# Altium PCB HAWACO_DATALOGER_DT-G2_V1.0.3.PcbDoc (part 2 of 3)
Units mm, origin at the board's own origin, x right, y up, seen from the top; angles counter-clockwise.
Board outline 100 x 100 mm, 4 copper layers (Top Layer, Layer 2, Layer 3, Bottom Layer), stack 1.597 mm thick; 286 components, 202 nets, 954 pads, 1031 vias.
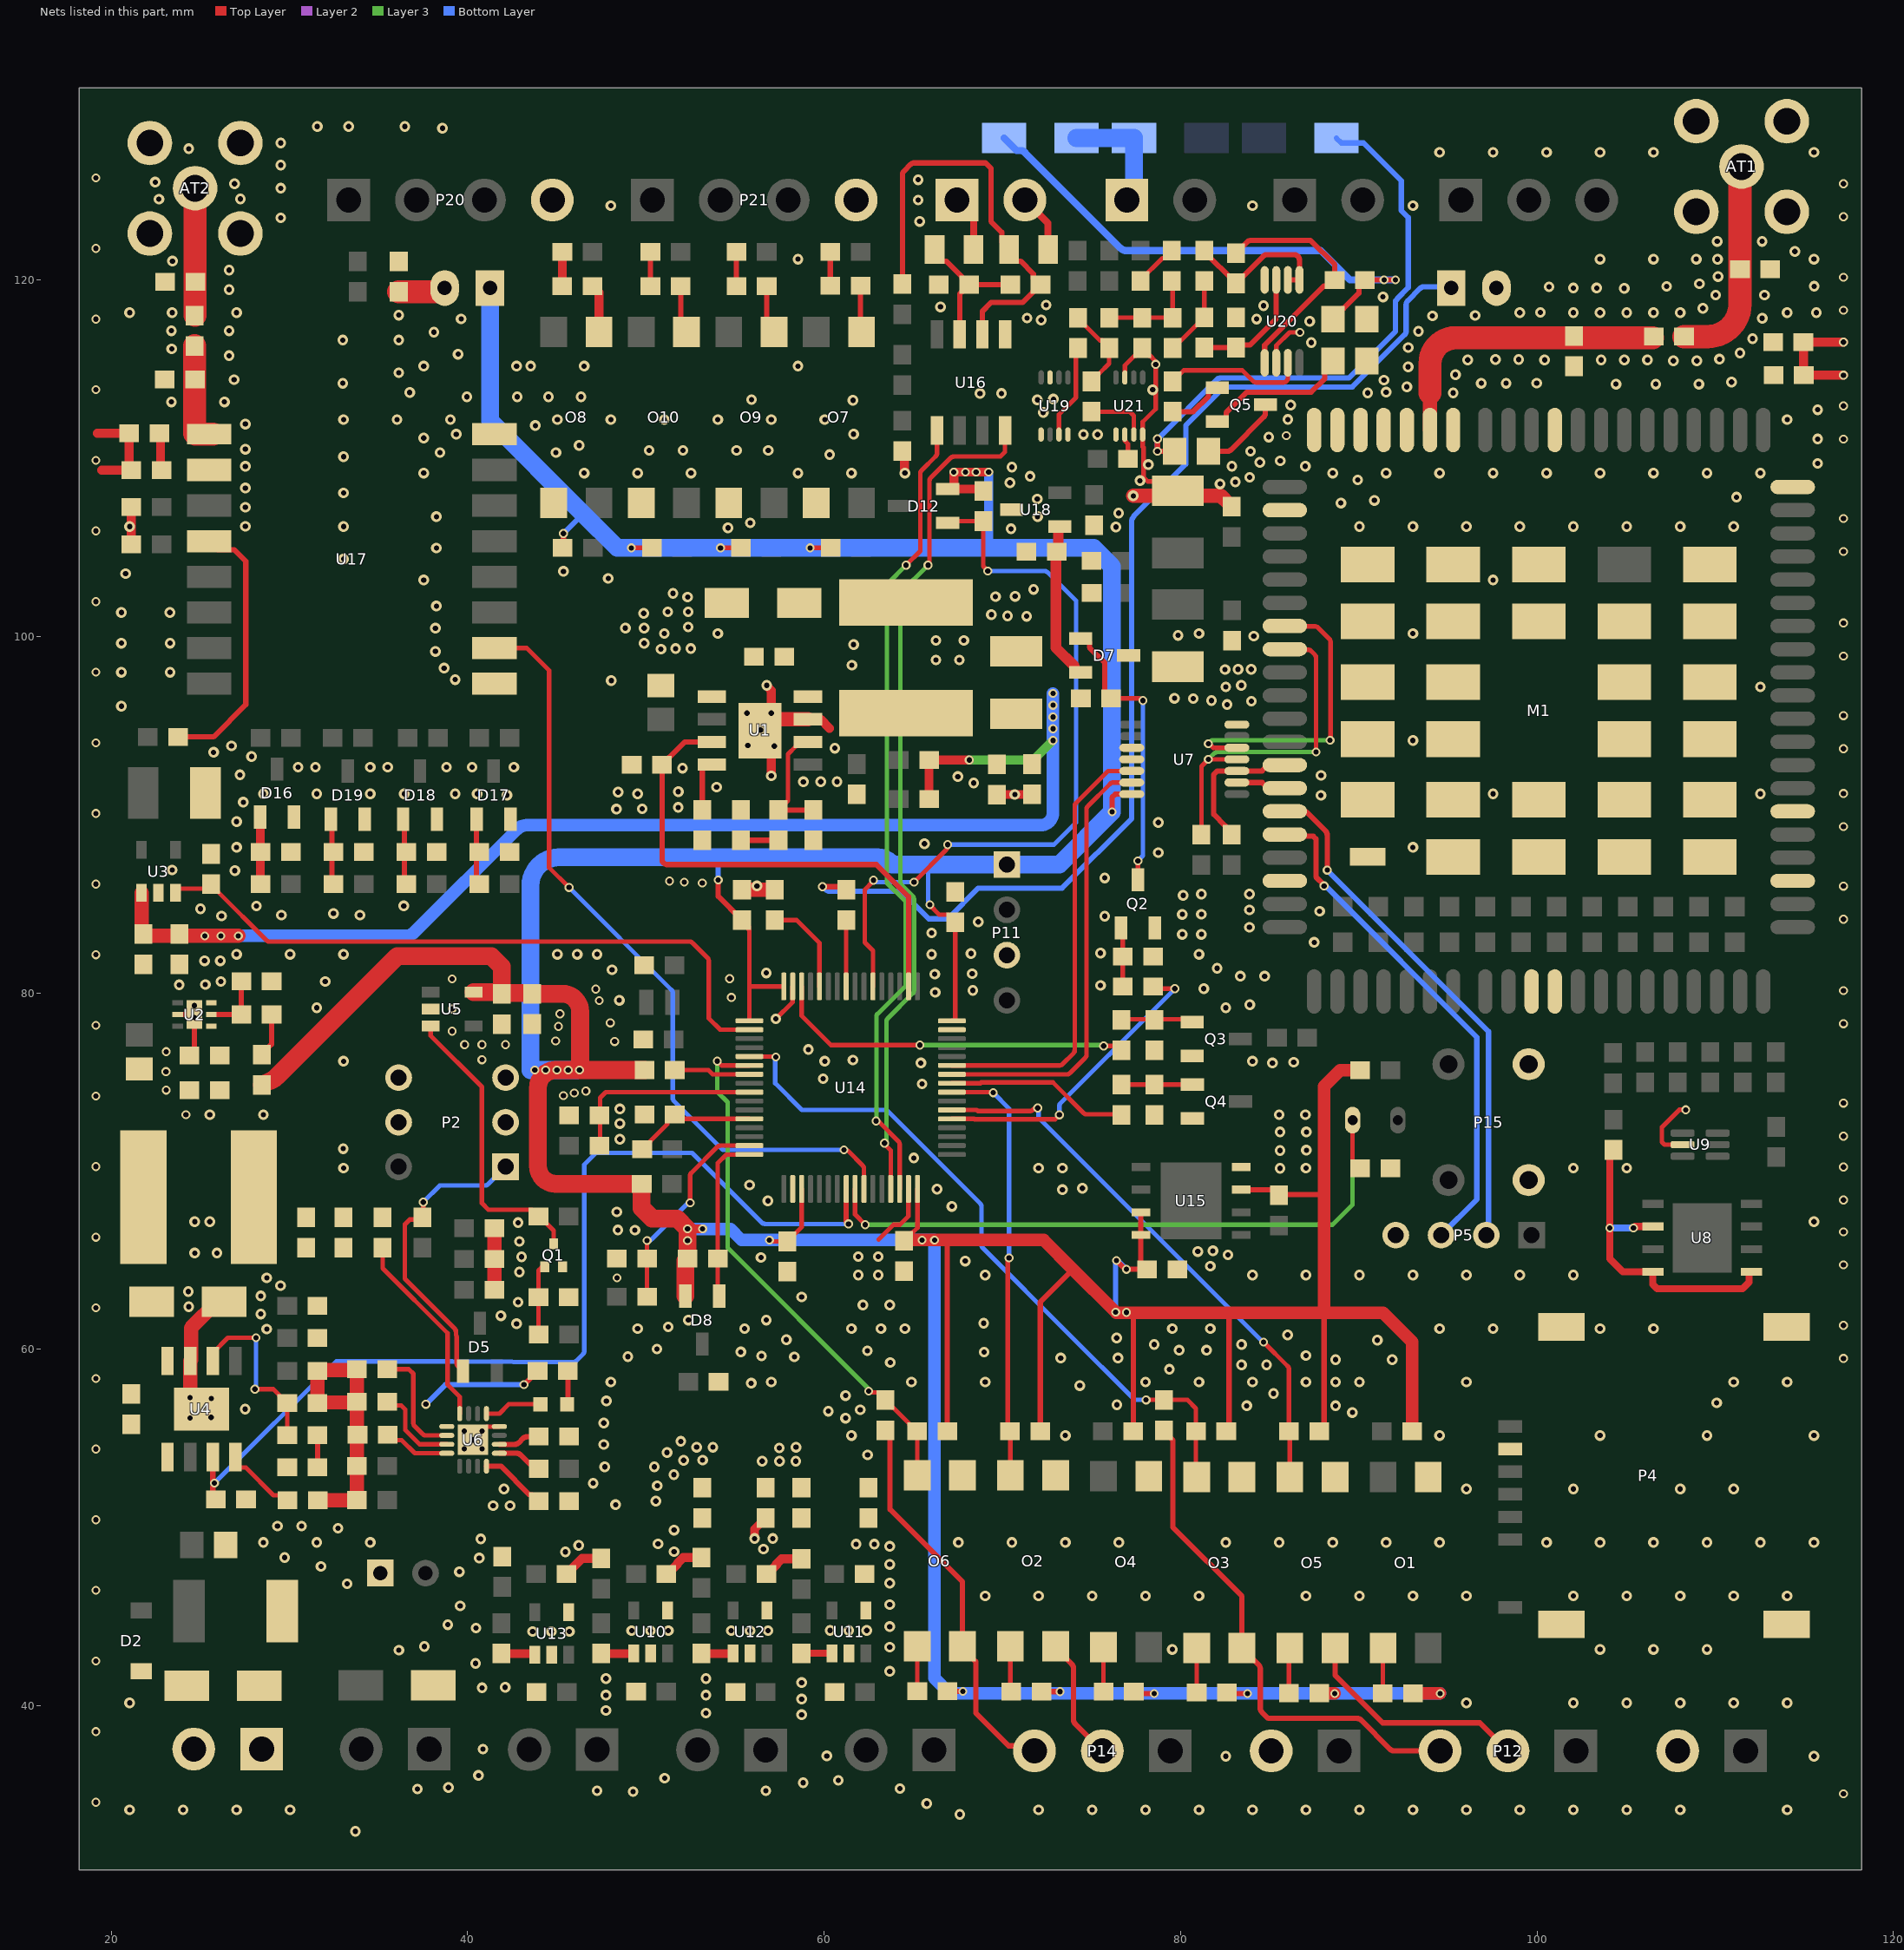
[diagram p4: the nets of this part, all layers, seen from the top]

## Via types
v1: diameter 0.6, hole 0.3, Top Layer to Bottom Layer, tented both sides, 749 vias
v2: diameter 0.5, hole 0.3, Top Layer to Bottom Layer, tented both sides, 282 vias

## Nets (pads, with @x,y where several pads share a name; then routed paths per layer and width w, separated by ;. In a path a pad name is that pad's centre, name@x,y a point inside that pad or via, vN(x,y) a via of type N, cw(c..) or ccw(c..) an arc to the next point about the centre after c; other vN are vias at no path point) (continued)
+3V3: C8.2 C9.2 C28.2 C29.2 C52.2 C53.2 C54.2 C55.2 C56.2 D8.2 D11.1 D12.2 L9.1 P11.1 R1.2 R44.2 R54.2 R55.2 R59.1 R60.1 R61.1 R65.2 R66.2 R67.1 R68.1 R73.1 R74.2 R75.2 R77.1 R78.1 R82.2 R84.2 R85.2 R93.2 R96.2 R105.2 U2.1 U5.5 U7.14 U14.1 U14.19 U14.32 U14.48 U14.64 U15.3 U15.7 U15.8 | length 391.1
  Top Layer w0.254: v2(49.186,104.966) R105.2@50.336,104.966 ; v2(54.19,104.966) R96.2@55.34,104.966 ; C55.2@55.397,84.088 55.77,83.715 55.77,83.56 55.813,83.517 55.813,80.36 ; U14.1@55.813,78.43 55.813,80.36 ; v2(56.937,66.131) 57.013,66.056 C53.2@57.937,66.056 57.937,66.106 58.31,66.479 58.36,66.479 58.743,66.862 U14.19@58.743,69 ; U14.64@57.743,80.36 55.813,80.36 ; v2(59.219,104.966) R84.2@60.369,104.966 ; C56.2@64.501,66.081 64.501,66.131 64.874,66.504 64.924,66.504 65.243,66.824 U14.32@65.243,69 ; v2(65.937,84.952) 65.937,84.916 66.461,84.392 66.992,84.392 67.365,84.019 C54.2@67.365,83.969 67.365,78.443 67.352,78.43 U14.48@67.173,78.43
  Top Layer w0.3: R93.2@45.332,104.966 45.382,105.016 v2(45.382,105.776) ; v2(54.066,86.338) 54.066,85.419 C55.2@55.397,84.088 ; R75.2@66.915,55.397 66.915,66.131 ; R78.1@66.935,40.811 v2(67.795,40.811) ; R55.2@72.133,55.397 72.133,62.653 73.967,64.488 ; R60.1@72.199,40.792 v2(73.247,40.792) ; v2(76.159,90.154) 76.159,90.968 76.343,91.152 U7.14@77.263,91.152 ; v2(76.403,64.988) 76.803,64.588 76.814,64.588 76.914,64.488 v2(76.969,64.488) C52.2@78.119,64.488 77.774,64.833 U15.8@77.774,66.419 U15.7@77.774,67.689 ; R66.2@77.35,55.397 77.35,62.008 77.394,62.052 ; R68.1@77.38,40.792 77.482,40.691 v2(78.53,40.691) ; R65.2@82.567,55.397 ccw(c82.043,55.832) 82.724,55.835 82.724,62.052 ; R67.1@82.613,40.742 82.663,40.691 v2(83.763,40.691) ; U15.3@83.414,68.959 85.203,68.959 R61.1@85.522,68.64 85.572,68.69 88.054,68.69 ; R74.2@87.784,55.397 87.966,55.579 ccw(c87.753,55.791) 88.053,55.791 88.053,62.052
  Top Layer w0.5: v2(52.338,66.756) v2(53.188,66.756) ; D12.2@66.936,108.269 D12.2@67.184,108.269 ; R85.2@68.936,108.169 68.836,108.269 D12.2@67.184,108.269 ; v2(69.236,109.224) v2(68.536,109.224) v2(67.936,109.224) v2(67.284,109.224) 67.284,108.369 D12.2@67.184,108.269
  Top Layer w0.7: C56.2@64.501,66.131 v2(65.501,66.131) v2(66.199,66.131) 66.915,66.131 72.324,66.131 73.967,64.488 v2(76.367,62.088) 76.403,62.052 77.394,62.052 82.724,62.052 88.054,62.052 ; R77.1@87.788,40.71 87.807,40.691 v2(88.648,40.691) ; R82.2@90.077,75.665 90.065,75.652 88.955,75.652 88.054,74.751 88.054,68.69 88.054,62.052 ; R54.2@93.001,55.397 93.001,60.415 91.364,62.052 88.054,62.052 ; R59.1@93.052,40.691 v2(94.564,40.691)
  Top Layer w1: R1.2@28.455,74.839 cw(c28.982,73.989) 28.584,74.907 28.965,75.072 ccw(c28.566,75.989) 29.274,75.283 36.044,82.053 41.342,82.053 41.927,81.467 C28.2@41.927,80.001 ; U5.5@40.332,80.048 41.582,80.048 41.629,80.001 C28.2@41.927,80.001 ; C28.2@41.927,79.948 C28.2@41.927,80.001 ; R73.1@49.925,75.671 v2@46.317,75.671 ; D8.2@52.216,62.991 52.216,64.978 52.288,65.05 52.288,65.1 R44.2@52.338,65.1 v2(52.338,66.1) v2(52.338,66.756) 51.753,67.342 50.358,67.342 49.772,67.928 L9.1@49.772,69.291 44.951,69.291 cw(c44.951,70.291) 43.951,70.291 43.951,74.671 cw(c44.951,74.671) 44.951,75.671 v2@46.317,75.671 ; C28.2@41.927,80.001 43.629,80.001 C29.2@43.629,79.951 45.317,79.951 cw(c45.317,78.951) 46.317,78.948 v2@46.317,75.671
  Bottom Layer w0.254: 65.846,87.198 65.846,85.148 ccw(c66.1,85.148) 65.92,84.968 v2(65.937,84.952)
  Bottom Layer w0.3: v2(45.382,105.776) 46.482,106.876 46.482,106.885 ; v2(54.066,86.338) 54.066,87.605 54.166,87.605 ; v2(76.969,64.488) 76.569,64.888 76.557,64.888 76.457,64.988 v2(76.403,64.988) 76.367,64.952 v2(76.367,62.088) 76.953,62.088 v2(76.971,62.07)
  Bottom Layer w0.5: v2(67.284,109.224) v2(67.936,109.224) v2(68.536,109.224) v2(69.236,109.224) 69.236,104.97 69.24,104.966
  Bottom Layer w0.7: v2(52.338,66.1) v2(52.338,66.756) 54.75,66.756 55.375,66.131 v2(56.937,66.131) v2(65.501,66.131) v2(66.199,66.131) 66.199,41.547 67.055,40.691 v2(78.53,40.691) v2(83.763,40.691) v2(88.648,40.691) v2(94.564,40.691)
  Bottom Layer w1: D11.1@41.258,119.548 41.258,112.109 46.482,106.885 48.401,104.966 v2(49.186,104.966) v2(54.19,104.966) v2(59.219,104.966) 69.24,104.966 71.051,104.966 71.662,104.966 72.272,104.966 72.882,104.966 75.125,104.966 76.159,103.933 v2(76.159,90.154) 73.203,87.198 P11.1@70.256,87.198 65.846,87.198 63.836,87.198 63.723,87.312 ccw(c63.016,86.605) 63.016,87.605 54.066,87.605 45.11,87.605 ccw(c45.11,86.021) 43.527,86.021 43.527,75.671 43.633,75.671 44.267,75.671 44.902,75.671 45.536,75.671 v2@46.141,75.671
  other v2: 43.772,75.671 44.378,75.671 45.012,75.671 45.646,75.671 46.281,75.671
+4V2: C3.1 C4.2 C5.2 C6.2 C14.2 C15.2 C60.2 D7.2 L1.2 R2.2 R26.2 U3.1 U18.1 | length 83.5
  Top Layer w0.5: R2.2@65.896,90.883 C6.2@65.896,93.062 65.899,93.066 v2(68.148,93.066)
  Top Layer w0.6: U18.1@73.232,106.162 73.197,106.162 73.147,106.112 73.147,104.834 C60.2@73.062,104.75 73.012,104.7 73.012,99.364 74.043,98.333 74.043,98.033 74.093,97.983 D7.2@74.393,97.983
  Top Layer w0.8: U3.1@21.707,85.617 21.707,85.417 21.707,83.685 ccw(c22.507,83.685) C14.2@21.806,83.299 21.906,83.199 v2(25.252,83.199) v2(26.154,83.199) v2(27.14,83.199)
  Layer 2 w0.5: v2(26.154,83.199) v2(26.154,83.199)
  Layer 3 w0.5: v2(68.148,93.066) 71.748,93.066 ; 71.752,93.062 71.748,93.066 ; v2(72.847,94.158) 71.755,93.066 71.748,93.066
  Bottom Layer w0.7: v2(25.252,83.199) v2(26.154,83.199) v2(27.14,83.199) 36.516,83.199 ccw(c36.516,83.899) 37.011,83.404 42.811,89.204 cw(c43.306,88.709) 43.304,89.409 43.306,89.409 72.147,89.409 ccw(c72.147,90.109) 72.847,90.109 v2(72.847,94.158) v2(72.847,96.799)
  other v2: 26.155,83.198 72.847,94.818 72.847,95.479 72.847,96.139
+4V2GSM: D7.3 L3.1 L4.1
+5V: C19.2 C20.2 C21.2 L2.2 R9.2 R25.2 U6.13 | length 7.1
  Top Layer w0.3: v2@43.164,58.015 43.531,58.382 43.531,58.432 43.881,58.782 R25.2@43.931,58.782
  Bottom Layer w0.3: v2(37.659,56.919) 38.755,58.015 v2(43.163,58.015)
A: F3.2 P16.2 | length 3.3
  Top Layer w0.4: P16.2@71.272,124.485 72.565,123.193 F3.2@72.565,121.703
ADC_24V: R57.1 R63.2 U14.15 | length 12
  Top Layer w0.254: R57.1@50.071,62.953 R63.2@50.071,65.1 v2(50.071,66.1) ; v2(52.486,68.22) 52.486,69.727 cw(c52.74,69.727) 52.561,69.907 54.009,71.355 cw(c54.189,71.176) 54.187,71.43 54.189,71.43 U14.15@55.813,71.43
  Bottom Layer w0.254: v2(50.071,66.1) 50.156,66.1 ccw(c50.156,66.354) 50.336,66.175 52.306,68.145 cw(c52.486,67.966) v2(52.486,68.22)
ADC_VBAT: R58.1 R64.2 U14.9 | length 11.2
  Top Layer w0.254: R58.1@47.39,71.42 47.44,71.47 47.44,73.121 47.44,74.11 47.76,74.43 U14.9@55.813,74.43
AGND: C39.2 C40.2 C41.2 C42.2 C45.1 C46.1 C47.1 C48.1 D9.1 L5.2 L6.2 L7.2 L8.2 R49.1 R50.1 R51.1 R52.1 U10.2 U10.4 U11.2 U11.4 U12.2 U12.4 U13.2 U13.4 | length 8.5
  Top Layer w0.5: C42.2@45.54,47.387 45.59,47.387 45.84,47.637 45.84,47.687 46.425,48.272 C45.1@47.498,48.272 ; C39.2@51.158,47.387 51.208,47.387 51.799,47.979 51.799,48.029 52.092,48.322 C47.1@53.12,48.322 ; v1(56.105,49.383) 56.105,49.911 L8.2@56.726,50.533 ; C41.2@56.775,47.387 56.825,47.387 57.337,47.898 57.337,47.948 57.629,48.241 C46.1@58.732,48.241
  other v1: 33.703,32.956 67.615,33.909 65.761,34.519 49.283,35.183 47.269,35.233 56.732,35.233 37.189,35.331 64.262,35.357 38.926,35.414 58.826,35.687 60.802,35.814 51.058,35.938 40.614,36.093 60.155,37.189 40.859,37.573 58.746,39.501 53.374,39.588 47.762,39.735 58.746,40.375 47.762,40.594 53.374,40.594 40.815,41.01 42.111,41.037 58.746,41.299 47.762,41.529 53.374,41.529 63.687,41.933 40.446,42.381 36.146,43.117 63.687,43.294 37.576,43.324 43.651,44.171 44.704,44.171 45.713,44.171 49.205,44.218 50.258,44.218 51.267,44.218 54.793,44.218 55.846,44.218 56.855,44.218 60.337,44.225 61.39,44.225 62.399,44.225 40.477,44.361 63.687,44.442 38.893,44.552 39.588,45.603 63.687,45.681 63.687,46.883 39.54,47.523 63.687,47.935 40.659,48.287 45.491,48.639 51.584,48.651 56.605,48.791 63.687,48.944 46.237,49.001 61.799,49.068 62.824,49.068 50.683,49.089 40.74,49.36 57.127,49.383 51.584,49.858
B: F2.2 P16.1 | length 3.2
  Top Layer w0.4: P16.1@67.462,124.485 68.393,123.554 F2.2@68.393,121.703
BAT_CHRG: D6.2 U6.9 | length 3.2
  Top Layer w0.254: U6.9@41.06,56.394 41.785,56.394 42.311,56.92 D6.2@44.086,56.92
BUSY: U14.26 U17.10 | length 44
  Top Layer w0.254: U17.10@41.503,99.343 43.329,99.343 44.577,98.095 44.577,87.029 v2(45.694,85.913) ; v2(61.124,71.187) 61.192,71.187 cw(c61.192,70.933) 61.372,71.112 62.17,70.314 cw(c61.989,70.135) 62.243,70.136 ; U14.26@62.243,69 62.243,70.135
  Bottom Layer w0.254: v2(45.694,85.913) 51.441,80.165 cw(c51.262,79.985) 51.516,79.986 ; 51.516,79.985 51.516,74.094 ccw(c51.77,74.094) 51.591,73.914 54.243,71.262 ccw(c54.423,71.441) 54.423,71.187 v2(61.124,71.187)
CIR1: O3.2 P12.3 R70.1 | length 28.9
  Top Layer w0.3: R70.1@79.07,55.462 79.07,55.412 79.57,54.912 79.57,50.021 83.449,46.142 O3.2@83.449,43.236 84.387,42.298 cw(c84.175,42.086) 84.475,42.086 84.475,39.87 ccw(c84.775,39.87) 84.563,39.658 84.927,39.294 89.906,39.294 cw(c89.906,38.994) 90.119,39.205 91.765,37.559 ccw(c91.977,37.771) 91.977,37.471 P12.3@94.564,37.471
CIR2: O6.2 P14.3 R81.1 | length 22.1
  Top Layer w0.3: R81.1@63.449,55.462 63.703,55.208 63.703,51.023 67.767,46.959 O6.2@67.767,43.338 67.767,43.238 68.517,42.488 68.517,39.592 70.355,37.754 71.523,37.754 P14.3@71.806,37.471
CIRIN1: O3.4 R65.1 R70.2 U14.5 | length 39.4
  Top Layer w0.254: U14.5@55.813,76.43 57.264,76.43 v2(57.296,76.398) ; v2(78.07,57.162) R70.2@79.07,57.162 80.392,57.162 80.867,56.687 R65.1@80.867,55.397 80.867,52.869 O3.4@80.909,52.827
  Bottom Layer w0.254: v2(57.296,76.398) 57.264,76.366 57.264,74.93 58.764,73.43 63.407,73.43 cw(c63.407,73.176) 63.588,73.355 68.762,68.181 cw(c68.582,68.001) 68.836,68.001 68.836,65.864 ccw(c69.09,65.864) 68.911,65.684 73.685,60.909 77.433,57.162 v2(78.07,57.162)
CIRIN2: O6.4 R75.1 R81.2 U14.6 | length 30.1
  Top Layer w0.254: v2(54.009,76.171) 54.249,75.93 U14.6@55.813,75.93 ; v2(62.51,57.651) 62.576,57.651 62.643,57.585 63.026,57.585 63.076,57.585 63.449,57.212 R81.2@63.449,57.162 63.449,57.112 63.822,56.739 63.872,56.739 64.792,55.819 64.792,55.77 65.165,55.397 R75.1@65.215,55.397 65.227,55.386 O6.4@65.227,52.928
  Layer 3 w0.254: v2(54.009,76.171) 54.009,74.443 54.59,73.862 54.59,65.698 62.51,57.779 v2(62.51,57.651)
DIR1: O5.2 P12.2 | length 13
  Top Layer w0.3: O5.2@88.676,43.236 88.676,41.716 91.347,39.046 96.799,39.046 P12.2@98.374,37.471
DIR2: O2.2 P14.2 | length 6.9
  Top Layer w0.3: O2.2@72.995,43.338 72.995,43.238 73.911,42.322 cw(c73.699,42.11) 73.999,42.11 73.999,39.213 ccw(c74.299,39.213) 74.086,39.001 P14.2@75.616,37.471
DIRIN1: O5.4 R74.1 U14.38 | length 31.5
  Top Layer w0.254: U14.38@67.173,73.43 68.571,73.43 68.636,73.366 71.544,73.366 ccw(c71.544,73.62) 71.724,73.44 71.777,73.493 71.938,73.493 v2(71.985,73.54) ; v2(84.658,60.408) 86.01,59.057 cw(c85.83,58.877) 86.084,58.877 R74.1@86.084,55.397 86.136,55.345 O5.4@86.136,52.827
  Bottom Layer w0.254: v2(71.985,73.54) 72.032,73.493 72.032,73.002 84.626,60.408 v2(84.658,60.408)
DIRIN2: O2.4 R55.1 U14.40 | length 24.2
  Top Layer w0.254: U14.40@67.173,74.43 69.461,74.43 v2(69.494,74.397) ; R55.1@70.308,55.774 ccw(c70.94,55.774) R55.1@70.433,55.397 70.455,55.375 O2.4@70.455,52.928 ; R55.1@70.308,55.775 70.308,63.538 70.308,64.946 cw(c70.562,64.946) v2(70.382,65.125)
  Bottom Layer w0.254: v2(69.494,74.397) 70.382,73.509 v2(70.382,65.125)
DM: M1.70 P5.3 | length 28.7
  Top Layer w0.305: M1.70@85.851,88.884 85.946,88.789 87.445,88.789 87.605,88.63 87.605,86.506 88.057,86.054 v2(88.057,86.001)
  Bottom Layer w0.305: v2(88.057,86.001) 88.141,86.001 96.629,77.513 96.629,68.413 P5.3@94.62,66.404
DP: M1.69 P5.2 | length 29.2
  Top Layer w0.3: M1.69@85.851,90.184 86.908,90.184 cw(c86.908,89.884) 87.121,90.096 88.145,89.071 cw(c87.932,88.86) 88.232,88.86 v2(88.232,86.886)
  Bottom Layer w0.3: v2(88.232,86.886) 97.287,77.832 97.287,66.531 P5.2@97.16,66.404
"EN_4-20mA IN": D8.1 R44.1 U14.16 | length 9.5
  Top Layer w0.254: D8.1@54.116,62.991 54.038,63.069 R44.1@54.038,65.1 54.038,70.447 54.522,70.93 U14.16@55.813,70.93
EN_LORA: R8.2 U3.3 U14.2 | length 37.8
  Top Layer w0.254: U3.3@23.607,85.617 23.607,85.678 23.78,85.851 25.36,85.851 R8.2@25.603,86.094 25.603,86.063 25.976,85.69 28.712,82.955 ccw(c28.891,83.134) 28.891,82.88 52.441,82.88 cw(c52.441,82.626) 52.622,82.805 53.457,81.97 cw(c53.278,81.79) 53.532,81.791 53.532,78.571 54.172,77.93 U14.2@55.813,77.93
EN_PW: D5.1 P2.1 R15.1 | length 17
  Top Layer w0.254: v2(37.514,68.259) 37.514,67.436 R15.1@37.477,67.399 37.357,67.28 36.744,67.28 36.477,67.012 36.477,63.966 39.274,61.169 cw(c39.095,60.989) 39.349,60.989 39.349,60.897 ccw(c39.803,60.897) 39.376,60.743 cw(c39.137,60.657) 39.391,60.656 39.391,59.227 ccw(c39.645,59.227) 39.465,59.047 D5.1@39.741,58.772
  Bottom Layer w0.254: v2(37.514,68.259) 37.535,68.259 37.535,68.28 38.446,69.191 40.976,69.191 ccw(c40.976,69.445) 41.156,69.266 P2.1@42.133,70.243
EN_RS485: D12.1 R85.1 U14.54 | length 42.3
  Top Layer w0.254: U14.54@62.743,80.36 62.743,82.363 62.284,82.822 62.284,85.789 62.773,86.278 v2(62.773,86.321) ; v2(65.047,86.218) 65.047,86.22 66.862,88.035 ccw(c66.682,88.214) 66.936,88.214 v2(66.936,88.317) ; D12.1@66.936,106.369 67.036,106.469 R85.1@68.936,106.469 68.936,103.937 69.19,103.683 v2(69.19,103.668)
  Bottom Layer w0.254: v2(62.773,86.321) 62.84,86.321 62.953,86.208 62.964,86.218 v2(65.047,86.218) ; v2(66.936,88.317) 72.899,88.317 74.141,89.559 74.141,101.998 72.545,103.593 ccw(c72.366,103.414) 72.366,103.668 v2(69.19,103.668)
GND: AT1.2 AT2.2 C2.1 C3.2 C4.1 C5.1 C7.1 C8.1 C9.1 C11.1 C12.2 C14.1 C15.1 C16.1 C17.1 C18.1 C19.1 C20.1 C23.1 C24.2 C25.1 C26.1 C27.1 C28.1 C29.1 C30.1 C32.2 C33.2 C34.2 C35.2 C43.2 C44.1 C49.1 C50.1 C51.1 C52.1 C53.1 C54.1 C55.1 C56.1 C57.2 C59.2 C60.1 C61.2 C63.2 C65.2 D2.1 D3.1 D4.1 D10.2 D16.2 D17.2 D18.2 D19.2 L5.1 L6.1 L7.1 L8.1 L10.1 M1.8 M1.9 M1.19 M1.22 M1.36 M1.46 M1.48 M1.50 M1.51 M1.52 M1.53 M1.54 M1.56 M1.72 M1.85 M1.86 M1.87 M1.89 M1.90 M1.91 M1.92 M1.93 M1.94 M1.95 M1.96 M1.97 M1.98 M1.99 M1.100 M1.101 M1.102 M1.103 M1.104 M1.105 M1.106 M1.107 M1.108 M1.109 M1.110 M1.111 M1.112 O1.3 O2.3 O3.3 O4.3 O5.3 O6.3 O7.3 O8.3 O9.3 O10.3 P1.1 P2.2 P2.3 P2.4 P2.5 P3.1 P4.5 P4.8 P4.9 P5.4 P10.2 P11.3 P13.2 P15.3 P15.4 P20.4 P21.4 Q1.2 Q2.2 Q3.2 Q4.2 R3.1 R5.1 R6.1 R7.1 R8.1 R10.1 R11.1 R12.1 R16.1 R17.2 R19.2 R20.2 R21.1 R22.1 R23.1 R24.1 R29.1 R33.1 R34.1 R37.1 R38.1 R43.1 R53.1 R62.1 R63.1 R64.1 R71.1 R72.1 R76.2 R90.1 R91.1 R110.1 R113.2 R121.1 R122.1 R127.1 R128.1 U1.7 U1.9 U2.3 U2.5 U2.7 U3.2 U4.7 U4.9 U5.2 U6.8 U6.17 U7.7 U9.2 U14.18 U14.31 U14.47 U14.63 U15.4 U16.5 U17.2 U17.9 U17.16 U18.3 U19.1 U19.4 U19.7 U20.4 U20.6 U21.1 U21.4 U21.7 | length 82.5
  Top Layer w0.254: v2(40.31,54.919) 41.055,55.664 41.78,55.664 U6.8@41.785,55.669 ; v1(57.3,78.54) 58.23,79.47 58.23,80.347 U14.63@58.243,80.36 ; 63.071,66.164 63.901,66.994 64.263,66.994 64.73,67.461 64.73,68.987 U14.31@64.743,69 ; C5.1@69.706,91.127 69.708,91.13 69.711,91.133 C4.1@71.676,91.133 ; U21.7@76.878,114.531 76.878,115.201 77.438,115.761 77.488,115.761 C65.2@77.861,116.134 ; C65.2@77.861,116.184 C65.2@77.861,116.134 ; C33.2@79.858,108.176 79.339,108.695 78.17,108.695 77.927,108.938 77.927,110.592 77.878,110.641 U21.4@77.878,111.331 77.878,112.03 78.612,112.764 v2(78.612,115.264) 78.612,115.433 78.284,115.761 78.234,115.761 C65.2@77.861,116.134 ; U20.6@85.375,115.353 85.375,116.313 86.117,117.055 v2(86.698,117.055) ; U9.2@108.174,71.484 107.153,71.484 107.004,71.632 107.004,72.465 107.978,73.439 v2(108.345,73.439)
  Top Layer w0.3: U2.5@23.732,78.787 U2.7@24.677,78.787 24.677,76.689 C8.1@24.397,76.689
  Top Layer w0.5: C16.1@21.129,105.177 C17.1@21.129,107.25 ; R53.1@22.71,111.398 22.769,111.339 22.769,109.384 C49.1@22.829,109.324 ; v1(56.785,97.253) 56.785,97.226 57.043,96.968 57.043,95.348 v1(57.043,92.173) ; U1.7@59.104,95.348 59.808,95.348 60.307,94.85 ; C57.2@64.521,110.077 64.521,109.184 v1(64.54,109.165) ; C5.1@69.708,91.13 71.673,91.13 C4.1@71.676,91.133
  Top Layer w0.8: U4.9@25.07,56.648 v1(24.435,57.283) U4.7@24.435,59.348 24.485,59.398 24.485,61.206 25.94,62.662 D4.1@26.34,62.662 ; C24.2@31.59,51.537 31.594,51.541 33.786,51.541 C30.1@33.79,51.545 ; C30.1@33.79,51.546 R20.2@33.791,57.054 ; C25.1@41.503,63.335 C26.1@41.503,65.068 C27.1@41.503,66.802 ; C55.1@55.397,85.788 R72.1@57.241,85.788 ; U1.9@56.404,94.713 v1(56.437,94.746) 57.039,95.348 57.043,95.348 U1.7@59.104,95.348 ; v1(77.351,107.886) 82.27,107.886 82.73,107.426 82.78,107.426 82.88,107.326 C35.2@82.88,107.276 ; R20.2@33.791,57.054 R24.1@33.791,58.885 33.745,58.84 31.63,58.84 R11.1@31.584,58.794 C23.1@31.582,56.989 31.615,57.022 33.758,57.022 R20.2@33.791,57.054
  other v1: 21.04,34.165 24.04,34.165 27.04,34.165 30.04,34.165 72.04,34.165 75.04,34.165 78.04,34.165 81.04,34.165 84.04,34.165 87.04,34.165 90.04,34.165 93.04,34.165 96.04,34.165 99.04,34.165 102.04,34.165 105.04,34.165 108.04,34.165 114.04,34.165 82.54,37.165 115.54,37.165 21.04,40.165 96.04,40.165 102.04,40.165 105.04,40.165 108.04,40.165 111.04,40.165 114.04,40.165 79.54,43.165 103.54,43.165 106.54,43.165 109.54,43.165 69.04,46.165 72.04,46.165 75.04,46.165 78.04,46.165 81.04,46.165 87.04,46.165 90.04,46.165 93.04,46.165 96.04,46.165 102.04,46.165 105.04,46.165 108.04,46.165 111.04,46.165 114.04,46.165 33.24,46.85 31.775,47.817 29.733,48.315 28.54,49.165 31.54,49.165 34.54,49.165 67.54,49.165 70.54,49.165 73.54,49.165 76.54,49.165 82.54,49.165 85.54,49.165 88.54,49.165 91.54,49.165 94.54,49.165 100.54,49.165 103.54,49.165 106.54,49.165 109.54,49.165 112.54,49.165 115.54,49.165 32.728,49.966 29.332,50.082 30.686,50.082 41.435,51.23 42.385,51.23 48.308,51.284 50.562,51.484 42.04,52.165 96.04,52.165 102.04,52.165 108.04,52.165 111.04,52.165 50.644,52.346 47.048,52.487 51.579,52.972 47.698,53.408 50.481,53.408 56.526,53.721 57.506,53.721 58.42,53.721 52.125,53.774 53.189,53.782 62.449,54.08 51.191,54.209 57.49,54.465 52.851,54.509 53.77,54.509 58.428,54.509 47.644,54.659 51.968,54.839 61.54,55.165 73.54,55.165 94.54,55.165 103.54,55.165 109.54,55.165 115.54,55.165 47.644,55.863 61.212,56.141 24.435,56.148 25.613,56.179 89.645,56.458 60.243,56.528 62.034,56.612 27.52,56.648 83.717,56.835 88.703,56.835 76.432,56.887 110.084,56.998 47.786,57.101 25.623,57.235 61.212,57.404 85.224,57.521 74.347,57.966 55.916,58.1 48.04,58.165 57.04,58.165 64.903,58.165 69.04,58.165 78.04,58.165 81.04,58.165 84.04,58.165 87.04,58.165 88.703,58.165 90.04,58.165 96.04,58.165 111.04,58.165 114.04,58.165 79.375,58.877 83.427,59.125 84.834,59.125 63.717,59.262 88.703,59.421 91.878,59.421 73.279,59.512 76.494,59.512 48.991,59.592 58.338,59.579 56.489,59.623 87.04,59.648 55.33,59.853 68.986,59.842 62.433,59.919 79.924,59.949 81.464,59.949 50.623,60.016 78.529,60.274 83.427,60.274 91.047,60.518 57.888,60.542 76.419,60.635 86.01,60.805 28.734,61.136 49.54,61.165 55.54,61.165 61.54,61.165 63.195,61.165 64.54,61.165 79.54,61.165 81.671,61.165 94.54,61.165 97.54,61.165 103.54,61.165 106.54,61.165 51.261,61.26 42.748,61.436 68.961,61.468 52.388,61.641 56.762,61.641 41.869,61.884 28.394,61.983 24.357,62.391 62.185,62.484 63.691,62.484 42.831,62.643 58.747,62.941 28.4,62.992 24.335,63.246 29.507,63.57 28.732,64.008 61.923,64.165 63.04,64.165 69.04,64.165 84.04,64.165 87.04,64.165 90.04,64.165 93.04,64.165 96.04,64.165 99.04,64.165 102.04,64.165 42.908,64.335 81.671,64.664 67.92,64.952 56.463,65.152 43.027,65.19 61.923,65.206 63.04,65.207 82.667,65.298 24.69,65.405 25.94,65.405 80.969,65.488 81.82,65.524 42.908,66.052 49.39,66.685 48.432,66.692 42.831,67.107 24.69,67.165 25.54,67.165 115.54,67.165 48.371,67.707 67.173,68.021 56.854,68.33 73.378,68.959 66.337,68.987 74.494,69.033 55.826,69.221 33.04,70.165 72.04,70.165 73.378,70.165 85.588,70.155 87.04,70.165 102.04,70.165 105.04,70.165 65.042,70.734 85.588,71.155 87.063,71.172 33.026,71.258 48.54,71.788 85.588,72.196 87.063,72.196 48.54,72.672 25.54,73.165 28.54,73.165 85.54,73.165 87.013,73.165 48.54,73.486 65.505,74.893 59.949,75.188 65.435,76.065 85.157,76.065 86.349,76.109 33.04,76.165 60.04,76.165 84.04,76.165 61.624,76.234 59.124,76.822 31.54,79.165 82.54,79.165 83.887,79.335 48.514,79.584 66.238,80.03 68.345,80.139 81.305,80.239 75.512,80.414 23.825,80.448 25.288,80.469 26.156,80.641 32.015,80.641 83.355,80.934 84.719,80.934 66.211,81.055 68.314,81.078 56.757,81.119 48.109,81.299 82.056,81.376 25.246,81.799 26.127,81.799 27.04,82.165 30.04,82.165 33.04,82.165 45.04,82.165 46.152,82.165 47.266,82.165 66.04,82.165 81.04,82.165 68.244,82.211 75.512,82.228 87.501,82.834 80.104,83.284 81.173,83.284 66.04,83.362 83.866,83.684 68.655,83.987 75.747,84.3 26.193,84.317 29.556,84.359 33.962,84.359 80.104,84.403 81.173,84.413 32.473,84.455 87.808,84.584 83.866,84.654 25.017,84.717 28.155,84.874 36.421,84.88 80.149,85.473 81.173,85.543 83.866,85.543 56.241,86 75.747,86.448 26.944,86.856 23.425,86.891 78.76,87.868 27.04,88.165 93.04,88.165 65.632,88.37 78.76,89.559 27.04,89.612 48.354,90.309 49.802,90.33 51.816,90.405 27.418,90.697 87.881,91.084 42.208,91.097 70.706,91.13 28.54,91.165 31.54,91.165 34.54,91.165 36.448,91.165 39.303,91.165 40.54,91.165 49.54,91.165 97.54,91.165 112.54,91.165 48.445,91.263 51.826,91.29 53.975,91.542 68.397,91.778 58.844,91.843 59.817,91.846 60.731,91.846 67.511,92.136 87.885,92.203 27.232,92.234 52.064,92.608 30.494,92.666 31.468,92.666 34.54,92.666 35.519,92.666 38.814,92.666 40.253,92.666 42.599,92.666 27.879,93.258 25.75,93.497 60.608,93.728 26.753,93.857 57.212,93.842 55.725,93.879 93.04,94.165 57.039,95.694 55.676,95.698 20.579,96.084 82.615,96.175 83.975,96.361 81.739,96.401 79.665,96.529 80.713,96.513 82.54,97.165 112.54,97.165 83.413,97.255 48.064,97.518 39.303,97.574 20.579,97.991 23.312,97.991 82.501,98.146 83.23,98.151 83.964,98.151 38.684,98.222 61.564,98.382 66.278,98.677 67.593,98.677 38.201,99.158 50.85,99.288 51.673,99.316 52.526,99.316 61.66,99.545 20.579,99.62 23.312,99.62 49.91,99.617 66.278,99.771 67.843,99.771 84.113,100.013 79.865,100.058 51.04,100.165 54.04,100.165 81.04,100.165 93.04,100.165 38.201,100.463 48.854,100.47 49.91,100.47 52.377,100.531 70.299,101.147 71.372,101.131 69.389,101.219 49.882,101.293 20.579,101.343 23.295,101.343 51.232,101.384 52.377,101.384 38.252,101.702 52.35,102.207 69.622,102.235 70.725,102.25 51.526,102.413 71.755,102.641 37.54,103.165 97.54,103.165 47.892,103.256 20.814,103.523 45.381,103.649 33.04,104.343 38.252,104.958 70.49,106.038 54.613,106.093 76.378,106.136 21.04,106.165 27.534,106.177 33.04,106.165 90.04,106.165 93.04,106.165 96.04,106.165 99.04,106.165 102.04,106.165 105.04,106.165 108.04,106.165 111.04,106.165 55.863,106.374 38.252,106.718 71.982,106.719 76.528,106.922 27.534,107.25 89.001,107.484 90.879,107.631 71.967,107.712 111.201,107.814 33.04,108.052 27.534,108.324 82.22,108.555 70.429,108.619 83.08,108.667 77.728,108.739 89.942,108.784 83.882,108.929 71.561,108.981 37.54,109.165 46.54,109.165 49.54,109.165 52.54,109.165 58.54,109.165 61.54,109.165 88.54,109.165 91.54,109.165 94.54,109.165 97.54,109.165 100.54,109.165 103.54,109.165 106.54,109.165 109.54,109.165 112.54,109.165 70.543,109.498 27.534,109.543 82.88,109.55 87.005,109.55 78.2,109.638 115.751,109.707 84.451,109.771 85.601,109.848 33.04,110.084 60.318,110.199 38.456,110.318 44.958,110.318 83.927,110.388 50.184,110.439 52.086,110.439 55.096,110.439 56.871,110.439 27.534,110.502 46.263,110.718 115.751,111.074 37.54,111.131 84.951,111.183 74.56,111.331 75.35,111.322 39.366,111.343 61.659,111.349 43.801,111.832 27.534,111.916 33.04,112.165 36.04,112.165 39.04,112.165 45.04,112.165 48.04,112.165 51.04,112.165 54.04,112.165 57.04,112.165 60.04,112.165 86.025,112.169 114.04,112.165 72.301,112.566 115.751,112.717 86.184,112.984 23.379,113.157 26.361,113.157 61.624,113.249 71.972,113.271 55.931,113.284 72.873,113.314 39.958,113.44 42.786,113.44 44.54,113.44 46.365,113.44 68.75,113.632 69.955,113.632 90.501,113.661 95.301,113.661 36.754,113.69 91.54,113.704 78.44,113.839 92.701,114.001 104.435,114.156 106.668,114.156 109.084,114.156 33.004,114.204 96.875,114.204 98.273,114.204 99.984,114.209 110.92,114.267 91.415,114.384 26.899,114.408 95.428,114.682 36.141,114.792 92.774,115.126 37.54,115.165 42.753,115.165 43.54,115.165 46.54,115.165 58.54,115.165 107.659,115.466 108.972,115.466 96.115,115.516 100.431,115.516 103.601,115.516 104.901,115.516 106.201,115.516 97.673,115.534 98.973,115.534 110.243,115.556 26.62,115.751 39.47,115.837 111.393,115.904 23.4,116.136 92.781,116.206 87.336,116.483 33.004,116.627 36.141,116.627 112.096,116.707 38.112,117.071 93.351,117.119 23.379,117.151 26.62,117.151 87.25,117.678 72.182,117.749 39.639,117.813 84.274,117.805 71.393,117.865 112.642,117.853 94.137,117.98 96.534,118.009 36.141,118.024 21.04,118.165 23.424,118.165 27.04,118.165 99.04,118.165 102.04,118.165 103.54,118.165 105.04,118.165 106.54,118.165 108.04,118.165 114.04,118.165 115.681,118.165 100.196,118.179 109.314,118.407 66.535,118.489 84.661,118.555 72.467,118.594 91.364,119.05 110.025,119.154 112.771,119.154 26.62,119.455 104.896,119.532 102.04,119.548 103.353,119.548 100.677,119.616 107.275,119.64 115.558,119.645 109.114,119.789 110.16,120.193 26.62,120.551 23.444,121.056 58.54,121.165 103.54,121.165 106.54,121.165 108.941,121.165 110.134,121.158 115.54,121.165 114.471,121.599 110.113,122.165 112.631,122.165 65.37,123.284 29.515,123.49 48.04,124.165 84.04,124.165 93.04,124.165 65.285,124.485 22.682,124.536 27.254,124.546 29.515,125.146 26.924,125.4 22.475,125.489 65.285,125.622 29.515,126.446 94.54,127.165 97.54,127.165 100.54,127.165 103.54,127.165 106.54,127.165 115.54,127.165 24.359,127.362 29.515,127.686 38.594,128.512 31.571,128.607 33.325,128.607 36.481,128.607